# Altium PCB node-test-array__B4.PcbDoc (part 1 of 3)
Units mm, origin at the board's own origin, x right, y up, seen from the top; angles counter-clockwise.
Board outline 390 x 132 mm, 2 copper layers (Top Layer, Bottom Layer), stack 1.567 mm thick; 356 components, 207 nets, 1082 pads, 266 vias.
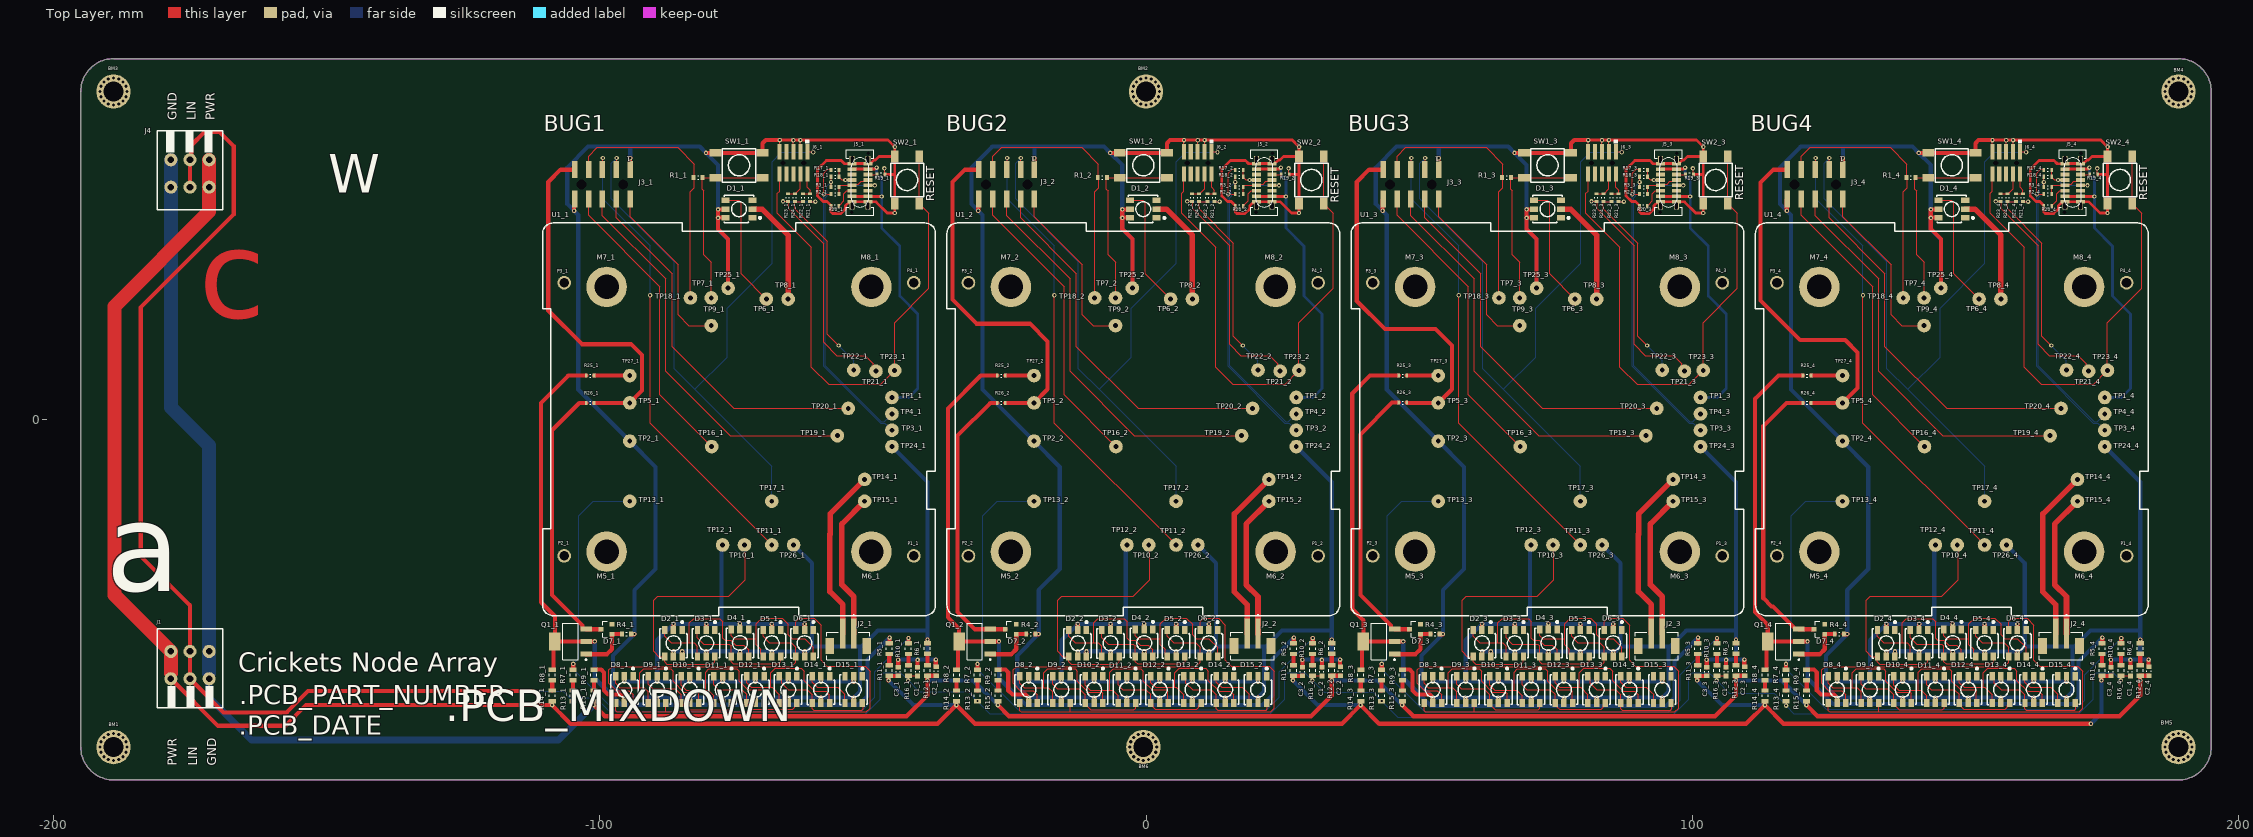
[diagram p0: Top Layer view]
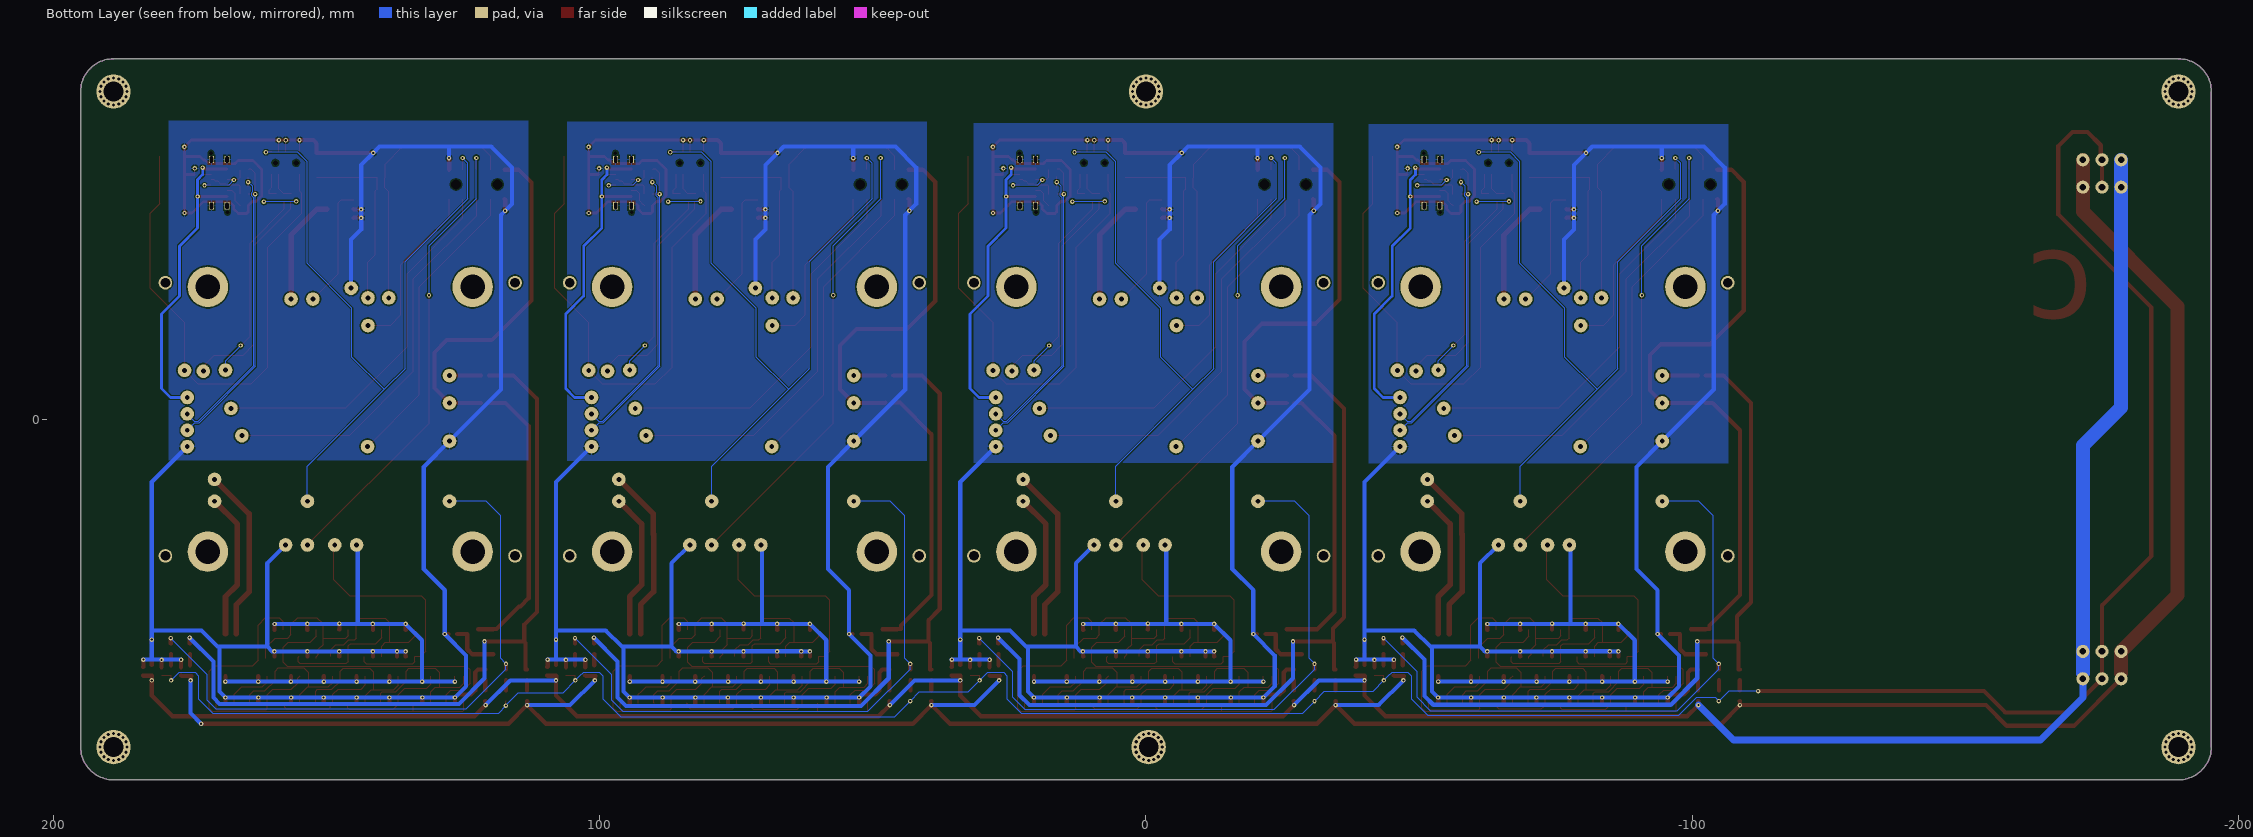
[diagram p1: Bottom Layer view, seen from below]
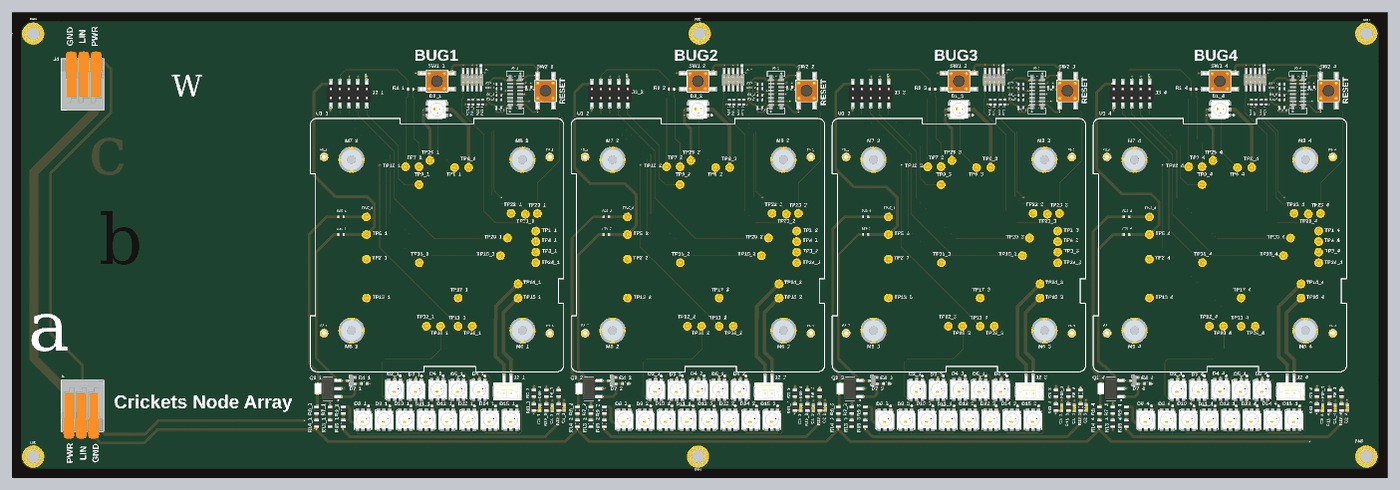
[diagram p4: 3D render of the assembled board from above, using the file's embedded part models]

## Layer stack, top to bottom
Top Solder: solder mask 0.0102, Solder Resist, Dk 3.5
Top Layer: signal copper 0.0356
Dielectric1: dielectric 1.4961, FR-4, Dk 4.8
Bottom Layer: signal copper 0.0356
Bottom Solder: solder mask 0.0102, Solder Resist, Dk 3.5

## Board outline
-195,-60 ccw(c-189,-60) -189,-66 189,-66 ccw(c189,-60) 195,-60 195,60 ccw(c189,60) 189,66 -189,66 ccw(c-189,60) -195,60

## Design rules (kind name [scope] priority, off if disabled: settings)
Clearance [All] p1: gap=0.152 ignorepadtopadclearanceinfootprint=FALSE except(0: Arc-Hole Track-Hole SMDPad-Hole THPad-Hole Via-Hole Fill-Hole Poly-Hole Region-Hole Text-Hole; 0.254: Arc-Poly Track-Poly SMDPad-Poly THPad-Poly Via-Poly Fill-Poly Poly-Poly)
ComponentClearance [All] p1: gap=0 collisioncheckmode=3 verticalgap=0 showdistances=FALSE
HoleToHoleClearance [All] p1: gap=0.127 allowstackedmicrovias=TRUE
PolygonConnect [All] p1: connectstyle=Relief reliefconductorwidth=0.254 reliefentries=4 polygonreliefangle="90 Angle" airgapwidth=0.254
RoomDefinition 4 [InComponentClass('4')] p1: confinementstyle=ConfineIn formatcopy=TRUE lockcomponents=FALSE outline 111,-57 185,-57 185,54 111,54
RoomDefinition 3 [InComponentClass('3')] p2: confinementstyle=ConfineIn formatcopy=TRUE lockcomponents=FALSE outline 37,-57 111,-57 111,54 37,54
RoomDefinition 2 [InComponentClass('2')] p3: confinementstyle=ConfineIn formatcopy=TRUE lockcomponents=FALSE outline -37,-57 37,-57 37,54 -37,54
RoomDefinition 1 [InComponentClass('1')] p4: confinementstyle=ConfineIn formatcopy=TRUE lockcomponents=FALSE outline -111,-57 -37,-57 -37,54 -111,54
RoutingVias [All] p1: holewidth=0.305 width=0.66 viastyle="Through Hole" minholewidth=0.305 minwidth=0.66 maxholewidth=1.27 maxwidth=1.905
SilkToSolderMaskClearance SilkscreenOverComponentPads [IsPad] p1: minsilkscreentomaskgap=0.254 clearancetoexposedcopper=TRUE
SolderMaskExpansion [All] p1: expansion=0.102 istentingtop=FALSE
SupplyNets "Schematic Supply Nets_23" [InNet('GND_1')] p1: voltage=0.000
SupplyNets "Schematic Supply Nets_22" [InNet('GND_3')] p2: voltage=0.000
SupplyNets "Schematic Supply Nets_21" [InNet('+VIN_3')] p3: voltage=0.000
SupplyNets "Schematic Supply Nets_20" [InNet('+VIN_2')] p4: voltage=0.000
SupplyNets "Schematic Supply Nets_19" [InNet('+5v0_3')] p5: voltage=0.000
SupplyNets "Schematic Supply Nets_16" [InNet('+VIN_4')] p6: voltage=0.000
SupplyNets "Schematic Supply Nets_15" [InNet('GND_2')] p7: voltage=0.000
SupplyNets "Schematic Supply Nets_14" [InNet('+5v0_4')] p8: voltage=0.000
SupplyNets "Schematic Supply Nets_9" [InNet('+VIN_1')] p9: voltage=0.000
SupplyNets "Schematic Supply Nets_3" [InNet('+5v0_1')] p10: voltage=0.000
SupplyNets "Schematic Supply Nets_1" [InNet('+5v0_2')] p11: voltage=0.000
SupplyNets "Schematic Supply Nets" [InNet('GND_4')] p12: voltage=0.000
Width [All] p1: maxlimit=5.08 minlimit=0.152 preferedwidth=0.152
27 further rules are at their usual default settings.

## Classes and differential pairs
component class 4: C1_4 C2_4 C3_4 D1_4 D2_4 D3_4 D4_4 D5_4 D6_4 D7_4 D8_4 D9_4 D10_4 D11_4 D12_4 D13_4 D14_4 D15_4 J2_4 J3_4 J5_4 J6_4 M5_4 M6_4 M7_4 M8_4 P1_4 P2_4 P3_4 P4_4 Q1_4 R1_4 R2_4 R3_4 R4_4 R5_4 R6_4 R7_4 R8_4 R9_4 R10_4 R11_4 R12_4 R13_4 R14_4 R15_4 R16_4 R17_4 R18_4 R19_4 R20_4 R21_4 R22_4 R23_4 R24_4 R25_4 R26_4 SW1_4 SW2_4 TP1_4 TP2_4 TP3_4 TP4_4 TP5_4 TP6_4 TP7_4 TP8_4 TP9_4 TP10_4 TP11_4 TP12_4 TP13_4 TP14_4 TP15_4 TP16_4 TP17_4 TP18_4 TP19_4 TP20_4 TP21_4 TP22_4 TP23_4 TP24_4 TP25_4 TP26_4 TP27_4 U1_4
component class 3: C1_3 C2_3 C3_3 D1_3 D2_3 D3_3 D4_3 D5_3 D6_3 D7_3 D8_3 D9_3 D10_3 D11_3 D12_3 D13_3 D14_3 D15_3 J2_3 J3_3 J5_3 J6_3 M5_3 M6_3 M7_3 M8_3 P1_3 P2_3 P3_3 P4_3 Q1_3 R1_3 R2_3 R3_3 R4_3 R5_3 R6_3 R7_3 R8_3 R9_3 R10_3 R11_3 R12_3 R13_3 R14_3 R15_3 R16_3 R17_3 R18_3 R19_3 R20_3 R21_3 R22_3 R23_3 R24_3 R25_3 R26_3 SW1_3 SW2_3 TP1_3 TP2_3 TP3_3 TP4_3 TP5_3 TP6_3 TP7_3 TP8_3 TP9_3 TP10_3 TP11_3 TP12_3 TP13_3 TP14_3 TP15_3 TP16_3 TP17_3 TP18_3 TP19_3 TP20_3 TP21_3 TP22_3 TP23_3 TP24_3 TP25_3 TP26_3 TP27_3 U1_3
component class 2: C1_2 C2_2 C3_2 D1_2 D2_2 D3_2 D4_2 D5_2 D6_2 D7_2 D8_2 D9_2 D10_2 D11_2 D12_2 D13_2 D14_2 D15_2 J2_2 J3_2 J5_2 J6_2 M5_2 M6_2 M7_2 M8_2 P1_2 P2_2 P3_2 P4_2 Q1_2 R1_2 R2_2 R3_2 R4_2 R5_2 R6_2 R7_2 R8_2 R9_2 R10_2 R11_2 R12_2 R13_2 R14_2 R15_2 R16_2 R17_2 R18_2 R19_2 R20_2 R21_2 R22_2 R23_2 R24_2 R25_2 R26_2 SW1_2 SW2_2 TP1_2 TP2_2 TP3_2 TP4_2 TP5_2 TP6_2 TP7_2 TP8_2 TP9_2 TP10_2 TP11_2 TP12_2 TP13_2 TP14_2 TP15_2 TP16_2 TP17_2 TP18_2 TP19_2 TP20_2 TP21_2 TP22_2 TP23_2 TP24_2 TP25_2 TP26_2 TP27_2 U1_2
channel class cricket-node: 1 2 3 4
component class 1: C1_1 C2_1 C3_1 D1_1 D2_1 D3_1 D4_1 D5_1 D6_1 D7_1 D8_1 D9_1 D10_1 D11_1 D12_1 D13_1 D14_1 D15_1 J2_1 J3_1 J5_1 J6_1 M5_1 M6_1 M7_1 M8_1 P1_1 P2_1 P3_1 P4_1 Q1_1 R1_1 R2_1 R3_1 R4_1 R5_1 R6_1 R7_1 R8_1 R9_1 R10_1 R11_1 R12_1 R13_1 R14_1 R15_1 R16_1 R17_1 R18_1 R19_1 R20_1 R21_1 R22_1 R23_1 R24_1 R25_1 R26_1 SW1_1 SW2_1 TP1_1 TP2_1 TP3_1 TP4_1 TP5_1 TP6_1 TP7_1 TP8_1 TP9_1 TP10_1 TP11_1 TP12_1 TP13_1 TP14_1 TP15_1 TP16_1 TP17_1 TP18_1 TP19_1 TP20_1 TP21_1 TP22_1 TP23_1 TP24_1 TP25_1 TP26_1 TP27_1 U1_1
component class node-test-array__TOP_LEVEL__B: BM1 BM2 BM3 BM4 BM5 BM6 J1 J4

## Components (designator, comment, footprint, x,y, rotation, side; value= is the part's Value field where it differs from the comment)
BM1 "M3" M3 -189,-60 r0 top
BM2 "M3" M3 0,60 r0 top
BM3 "M3" M3 -189,60 r0 top
BM4 "M3" M3 189,60 r0 top
BM5 "M3" M3 189,-60 r0 top
BM6 "M3" M3 -0.483,-60 r0 top
C1_1 "18pF" C0603_0.90MM_MD -41.805,-46.203 r270 top (schematic designator C1)
C1_2 "18pF" C0603_0.90MM_MD 32.195,-46.203 r270 top (schematic designator C1)
C1_3 "18pF" C0603_0.90MM_MD 106.195,-46.203 r270 top (schematic designator C1)
C1_4 "18pF" C0603_0.90MM_MD 180.195,-46.203 r270 top (schematic designator C1)
C2_1 "18pF" C0603_0.90MM_MD -38.401,-46.126 r270 top (schematic designator C2)
C2_2 "18pF" C0603_0.90MM_MD 35.599,-46.126 r270 top (schematic designator C2)
C2_3 "18pF" C0603_0.90MM_MD 109.599,-46.126 r270 top (schematic designator C2)
C2_4 "18pF" C0603_0.90MM_MD 183.599,-46.126 r270 top (schematic designator C2)
C3_1 "18pF" C0603_0.90MM_MD -45.361,-46.177 r270 top (schematic designator C3)
C3_2 "18pF" C0603_0.90MM_MD 28.639,-46.177 r270 top (schematic designator C3)
C3_3 "18pF" C0603_0.90MM_MD 102.639,-46.177 r270 top (schematic designator C3)
C3_4 "18pF" C0603_0.90MM_MD 176.639,-46.177 r270 top (schematic designator C3)
D1_1 "WS2813A-V2" WS2813A-V2 -74.5,38.475 r0 top (schematic designator D1)
D1_2 "WS2813A-V2" WS2813A-V2 -0.5,38.475 r0 top (schematic designator D1)
D1_3 "WS2813A-V2" WS2813A-V2 73.5,38.475 r0 top (schematic designator D1)
D1_4 "WS2813A-V2" WS2813A-V2 147.5,38.475 r0 top (schematic designator D1)
D2_1 "WS2813A-V2" WS2813A-V2 -86.5,-41 r90 top (schematic designator D2)
D2_2 "WS2813A-V2" WS2813A-V2 -12.5,-41 r90 top (schematic designator D2)
D2_3 "WS2813A-V2" WS2813A-V2 61.5,-41 r90 top (schematic designator D2)
D2_4 "WS2813A-V2" WS2813A-V2 135.5,-41 r90 top (schematic designator D2)
D3_1 "WS2813A-V2" WS2813A-V2 -80.5,-41 r90 top (schematic designator D3)
D3_2 "WS2813A-V2" WS2813A-V2 -6.5,-41 r90 top (schematic designator D3)
D3_3 "WS2813A-V2" WS2813A-V2 67.5,-41 r90 top (schematic designator D3)
D3_4 "WS2813A-V2" WS2813A-V2 141.5,-41 r90 top (schematic designator D3)
D4_1 "WS2813A-V2" WS2813A-V2 -74.335,-40.95 r90 top (schematic designator D4)
D4_2 "WS2813A-V2" WS2813A-V2 -0.335,-40.95 r90 top (schematic designator D4)
D4_3 "WS2813A-V2" WS2813A-V2 73.665,-40.95 r90 top (schematic designator D4)
D4_4 "WS2813A-V2" WS2813A-V2 147.665,-40.95 r90 top (schematic designator D4)
D5_1 "WS2813A-V2" WS2813A-V2 -68.5,-41 r90 top (schematic designator D5)
D5_2 "WS2813A-V2" WS2813A-V2 5.5,-41 r90 top (schematic designator D5)
D5_3 "WS2813A-V2" WS2813A-V2 79.5,-41 r90 top (schematic designator D5)
D5_4 "WS2813A-V2" WS2813A-V2 153.5,-41 r90 top (schematic designator D5)
D6_1 "WS2813A-V2" WS2813A-V2 -62.5,-41 r90 top (schematic designator D6)
D6_2 "WS2813A-V2" WS2813A-V2 11.5,-41 r90 top (schematic designator D6)
D6_3 "WS2813A-V2" WS2813A-V2 85.5,-41 r90 top (schematic designator D6)
D6_4 "WS2813A-V2" WS2813A-V2 159.5,-41 r90 top (schematic designator D6)
D7_1 "BZX84B16-7-F" D_SOT-23-3_P -98.758,-38.444 r180 top (schematic designator D7)
D7_2 "BZX84B16-7-F" D_SOT-23-3_P -24.758,-38.444 r180 top (schematic designator D7)
D7_3 "BZX84B16-7-F" D_SOT-23-3_P 49.242,-38.444 r180 top (schematic designator D7)
D7_4 "BZX84B16-7-F" D_SOT-23-3_P 123.242,-38.444 r180 top (schematic designator D7)
D8_1 "WS2813A-V2" WS2813A-V2 -95.5,-49.5 r90 top (schematic designator D8)
D8_2 "WS2813A-V2" WS2813A-V2 -21.5,-49.5 r90 top (schematic designator D8)
D8_3 "WS2813A-V2" WS2813A-V2 52.5,-49.5 r90 top (schematic designator D8)
D8_4 "WS2813A-V2" WS2813A-V2 126.5,-49.5 r90 top (schematic designator D8)
D9_1 "WS2813A-V2" WS2813A-V2 -89.5,-49.5 r90 top (schematic designator D9)
D9_2 "WS2813A-V2" WS2813A-V2 -15.5,-49.5 r90 top (schematic designator D9)
D9_3 "WS2813A-V2" WS2813A-V2 58.5,-49.5 r90 top (schematic designator D9)
D9_4 "WS2813A-V2" WS2813A-V2 132.5,-49.5 r90 top (schematic designator D9)
D10_1 "WS2813A-V2" WS2813A-V2 -83.5,-49.5 r90 top (schematic designator D10)
D10_2 "WS2813A-V2" WS2813A-V2 -9.5,-49.5 r90 top (schematic designator D10)
D10_3 "WS2813A-V2" WS2813A-V2 64.5,-49.5 r90 top (schematic designator D10)
D10_4 "WS2813A-V2" WS2813A-V2 138.5,-49.5 r90 top (schematic designator D10)
D11_1 "WS2813A-V2" WS2813A-V2 -77.5,-49.5 r90 top (schematic designator D11)
D11_2 "WS2813A-V2" WS2813A-V2 -3.5,-49.5 r90 top (schematic designator D11)
D11_3 "WS2813A-V2" WS2813A-V2 70.5,-49.5 r90 top (schematic designator D11)
D11_4 "WS2813A-V2" WS2813A-V2 144.5,-49.5 r90 top (schematic designator D11)
D12_1 "WS2813A-V2" WS2813A-V2 -71.5,-49.5 r90 top (schematic designator D12)
D12_2 "WS2813A-V2" WS2813A-V2 2.5,-49.5 r90 top (schematic designator D12)
D12_3 "WS2813A-V2" WS2813A-V2 76.5,-49.5 r90 top (schematic designator D12)
D12_4 "WS2813A-V2" WS2813A-V2 150.5,-49.5 r90 top (schematic designator D12)
D13_1 "WS2813A-V2" WS2813A-V2 -65.5,-49.5 r90 top (schematic designator D13)
D13_2 "WS2813A-V2" WS2813A-V2 8.5,-49.5 r90 top (schematic designator D13)
D13_3 "WS2813A-V2" WS2813A-V2 82.5,-49.5 r90 top (schematic designator D13)
D13_4 "WS2813A-V2" WS2813A-V2 156.5,-49.5 r90 top (schematic designator D13)
D14_1 "WS2813A-V2" WS2813A-V2 -59.5,-49.5 r90 top (schematic designator D14)
D14_2 "WS2813A-V2" WS2813A-V2 14.5,-49.5 r90 top (schematic designator D14)
D14_3 "WS2813A-V2" WS2813A-V2 88.5,-49.5 r90 top (schematic designator D14)
D14_4 "WS2813A-V2" WS2813A-V2 162.5,-49.5 r90 top (schematic designator D14)
D15_1 "WS2813A-V2" WS2813A-V2 -53.5,-49.5 r90 top (schematic designator D15)
D15_2 "WS2813A-V2" WS2813A-V2 20.5,-49.5 r90 top (schematic designator D15)
D15_3 "WS2813A-V2" WS2813A-V2 94.5,-49.5 r90 top (schematic designator D15)
D15_4 "WS2813A-V2" WS2813A-V2 168.5,-49.5 r90 top (schematic designator D15)
J1 "WAGO 2601-1103" 2601-1103 -175,-45 r0 top value=2601-1103
J2_1 "B2B-PH-SM4-TBT(LF)(SN)" B2B-PH-SM4 -54.5,-41.5 r180 top (schematic designator J2)
J2_2 "B2B-PH-SM4-TBT(LF)(SN)" B2B-PH-SM4 19.5,-41.5 r180 top (schematic designator J2)
J2_3 "B2B-PH-SM4-TBT(LF)(SN)" B2B-PH-SM4 93.5,-41.5 r180 top (schematic designator J2)
J2_4 "B2B-PH-SM4-TBT(LF)(SN)" B2B-PH-SM4 167.5,-41.5 r180 top (schematic designator J2)
J3_1 "PZ254-2-05-S" PZ254-2-05-S -99.5,43 r180 top (schematic designator J3)
J3_2 "PZ254-2-05-S" PZ254-2-05-S -25.5,43 r180 top (schematic designator J3)
J3_3 "PZ254-2-05-S" PZ254-2-05-S 48.5,43 r180 top (schematic designator J3)
J3_4 "PZ254-2-05-S" PZ254-2-05-S 122.5,43 r180 top (schematic designator J3)
J4 "WAGO 2601-1103" 2601-1103 -175,45 r180 top value=2601-1103
J5_1 "GT-USB-7082B" GT-USB-7082B -52.356,43.306 r90 top (schematic designator J5)
J5_2 "GT-USB-7082B" GT-USB-7082B 21.644,43.306 r90 top (schematic designator J5)
J5_3 "GT-USB-7082B" GT-USB-7082B 95.644,43.306 r90 top (schematic designator J5)
J5_4 "GT-USB-7082B" GT-USB-7082B 169.644,43.306 r90 top (schematic designator J5)
J6_1 "20021121-00010T4LF" FTSH-105-05-F-DV -64.54,46.93 r180 top (schematic designator J6)
J6_2 "20021121-00010T4LF" FTSH-105-05-F-DV 9.46,46.93 r180 top (schematic designator J6)
J6_3 "20021121-00010T4LF" FTSH-105-05-F-DV 83.46,46.93 r180 top (schematic designator J6)
J6_4 "20021121-00010T4LF" FTSH-105-05-F-DV 157.46,46.93 r180 top (schematic designator J6)
M5_1 "9774080360R" 9774080360R-YIYUAN -98.732,-24.232 r0 top (schematic designator M5)
M5_2 "9774080360R" 9774080360R-YIYUAN -24.732,-24.232 r0 top (schematic designator M5)
M5_3 "9774080360R" 9774080360R-YIYUAN 49.268,-24.232 r0 top (schematic designator M5)
M5_4 "9774080360R" 9774080360R-YIYUAN 123.268,-24.232 r0 top (schematic designator M5)
M6_1 "9774080360R" 9774080360R-YIYUAN -50.268,-24.232 r0 top (schematic designator M6)
M6_2 "9774080360R" 9774080360R-YIYUAN 23.732,-24.232 r0 top (schematic designator M6)
M6_3 "9774080360R" 9774080360R-YIYUAN 97.732,-24.232 r0 top (schematic designator M6)
M6_4 "9774080360R" 9774080360R-YIYUAN 171.732,-24.232 r0 top (schematic designator M6)
M7_1 "9774080360R" 9774080360R-YIYUAN -98.732,24.232 r0 top (schematic designator M7)
M7_2 "9774080360R" 9774080360R-YIYUAN -24.732,24.232 r0 top (schematic designator M7)
M7_3 "9774080360R" 9774080360R-YIYUAN 49.268,24.232 r0 top (schematic designator M7)
M7_4 "9774080360R" 9774080360R-YIYUAN 123.268,24.232 r0 top (schematic designator M7)
M8_1 "9774080360R" 9774080360R-YIYUAN -50.268,24.232 r0 top (schematic designator M8)
M8_2 "9774080360R" 9774080360R-YIYUAN 23.732,24.232 r0 top (schematic designator M8)
M8_3 "9774080360R" 9774080360R-YIYUAN 97.732,24.232 r0 top (schematic designator M8)
M8_4 "9774080360R" 9774080360R-YIYUAN 171.732,24.232 r0 top (schematic designator M8)
P1_1 "H2184-05" H2184-05 -42.5,-25 r0 top (schematic designator P1)
P1_2 "H2184-05" H2184-05 31.5,-25 r0 top (schematic designator P1)
P1_3 "H2184-05" H2184-05 105.5,-25 r0 top (schematic designator P1)
P1_4 "H2184-05" H2184-05 179.5,-25 r0 top (schematic designator P1)
P2_1 "H2184-05" H2184-05 -106.5,-25 r0 top (schematic designator P2)
P2_2 "H2184-05" H2184-05 -32.5,-25 r0 top (schematic designator P2)
P2_3 "H2184-05" H2184-05 41.5,-25 r0 top (schematic designator P2)
P2_4 "H2184-05" H2184-05 115.5,-25 r0 top (schematic designator P2)
P3_1 "H2184-05" H2184-05 -106.5,25 r0 top (schematic designator P3)
P3_2 "H2184-05" H2184-05 -32.5,25 r0 top (schematic designator P3)
P3_3 "H2184-05" H2184-05 41.5,25 r0 top (schematic designator P3)
P3_4 "H2184-05" H2184-05 115.5,25 r0 top (schematic designator P3)
P4_1 "H2184-05" H2184-05 -42.5,25 r0 top (schematic designator P4)
P4_2 "H2184-05" H2184-05 31.5,25 r0 top (schematic designator P4)
P4_3 "H2184-05" H2184-05 105.5,25 r0 top (schematic designator P4)
P4_4 "H2184-05" H2184-05 179.5,25 r0 top (schematic designator P4)
Q1_1 "ZXMP4A16GTA" SOT223 -105.35,-40.7 r180 top (schematic designator Q1)
Q1_2 "ZXMP4A16GTA" SOT223 -31.35,-40.7 r180 top (schematic designator Q1)
Q1_3 "ZXMP4A16GTA" SOT223 42.65,-40.7 r180 top (schematic designator Q1)
Q1_4 "ZXMP4A16GTA" SOT223 116.65,-40.7 r180 top (schematic designator Q1)
R1_1 "100kΩ" R0603_0.55MM_MD -81.993,44.247 r180 top (schematic designator R1)
R1_2 "100kΩ" R0603_0.55MM_MD -7.993,44.247 r180 top (schematic designator R1)
R1_3 "100kΩ" R0603_0.55MM_MD 66.007,44.247 r180 top (schematic designator R1)
R1_4 "100kΩ" R0603_0.55MM_MD 140.007,44.247 r180 top (schematic designator R1)
R2_1 "0Ω" R0603_0.55MM_HD -56.92,41.215 r180 top (schematic designator R2)
R2_2 "0Ω" R0603_0.55MM_HD 17.08,41.215 r180 top (schematic designator R2)
R2_3 "0Ω" R0603_0.55MM_HD 91.08,41.215 r180 top (schematic designator R2)
R2_4 "0Ω" R0603_0.55MM_HD 165.08,41.215 r180 top (schematic designator R2)
R3_1 "0Ω" R0603_0.55MM_HD -56.92,42.485 r180 top (schematic designator R3)
R3_2 "0Ω" R0603_0.55MM_HD 17.08,42.485 r180 top (schematic designator R3)
R3_3 "0Ω" R0603_0.55MM_HD 91.08,42.485 r180 top (schematic designator R3)
R3_4 "0Ω" R0603_0.55MM_HD 165.08,42.485 r180 top (schematic designator R3)
R4_1 "10kΩ" R0603_0.55MM_MD -95.091,-39.307 r0 top (schematic designator R4)
R4_2 "10kΩ" R0603_0.55MM_MD -21.091,-39.307 r0 top (schematic designator R4)
R4_3 "10kΩ" R0603_0.55MM_MD 52.909,-39.307 r0 top (schematic designator R4)
R4_4 "10kΩ" R0603_0.55MM_MD 126.909,-39.307 r0 top (schematic designator R4)
R5_1 "0Ω" R0805_0.70MM_MD -47,-42 r90 top (schematic designator R5)
R5_2 "0Ω" R0805_0.70MM_MD 27,-42 r90 top (schematic designator R5)
R5_3 "0Ω" R0805_0.70MM_MD 101,-42 r90 top (schematic designator R5)
R5_4 "0Ω" R0805_0.70MM_MD 175,-42 r90 top (schematic designator R5)
R6_1 "0Ω" R0805_0.70MM_MD -40,-41.975 r90 top (schematic designator R6)
R6_2 "0Ω" R0805_0.70MM_MD 34,-41.975 r90 top (schematic designator R6)
R6_3 "0Ω" R0805_0.70MM_MD 108,-41.975 r90 top (schematic designator R6)
R6_4 "0Ω" R0805_0.70MM_MD 182,-41.975 r90 top (schematic designator R6)
R7_1 "0Ω" R0805_0.70MM_MD -104.87,-46.8 r90 top (schematic designator R7)
R7_2 "0Ω" R0805_0.70MM_MD -30.87,-46.8 r90 top (schematic designator R7)
R7_3 "0Ω" R0805_0.70MM_MD 43.13,-46.8 r90 top (schematic designator R7)
R7_4 "0Ω" R0805_0.70MM_MD 117.13,-46.8 r90 top (schematic designator R7)
R8_1 "0Ω" R0805_0.70MM_MD -108.68,-46.8 r90 top (schematic designator R8)
R8_2 "0Ω" R0805_0.70MM_MD -34.68,-46.8 r90 top (schematic designator R8)
R8_3 "0Ω" R0805_0.70MM_MD 39.32,-46.8 r90 top (schematic designator R8)
R8_4 "0Ω" R0805_0.70MM_MD 113.32,-46.8 r90 top (schematic designator R8)
R9_1 "0Ω" R0805_0.70MM_MD -101.06,-46.8 r90 top (schematic designator R9)
R9_2 "0Ω" R0805_0.70MM_MD -27.06,-46.8 r90 top (schematic designator R9)
R9_3 "0Ω" R0805_0.70MM_MD 46.94,-46.8 r90 top (schematic designator R9)
R9_4 "0Ω" R0805_0.70MM_MD 120.94,-46.8 r90 top (schematic designator R9)
R10_1 "0Ω" R0805_0.70MM_MD -43.5,-42 r90 top (schematic designator R10)
R10_2 "0Ω" R0805_0.70MM_MD 30.5,-42 r90 top (schematic designator R10)
R10_3 "0Ω" R0805_0.70MM_MD 104.5,-42 r90 top (schematic designator R10)
R10_4 "0Ω" R0805_0.70MM_MD 178.5,-42 r90 top (schematic designator R10)
R11_1 "0Ω" R0805_0.70MM_MD -47,-46 r90 top (schematic designator R11)
R11_2 "0Ω" R0805_0.70MM_MD 27,-46 r90 top (schematic designator R11)
R11_3 "0Ω" R0805_0.70MM_MD 101,-46 r90 top (schematic designator R11)
R11_4 "0Ω" R0805_0.70MM_MD 175,-46 r90 top (schematic designator R11)
R12_1 "0Ω" R0805_0.70MM_MD -40,-45.975 r90 top (schematic designator R12)
R12_2 "0Ω" R0805_0.70MM_MD 34,-45.975 r90 top (schematic designator R12)
R12_3 "0Ω" R0805_0.70MM_MD 108,-45.975 r90 top (schematic designator R12)
R12_4 "0Ω" R0805_0.70MM_MD 182,-45.975 r90 top (schematic designator R12)
R13_1 "0Ω" R0805_0.70MM_MD -104.87,-50.61 r90 top (schematic designator R13)
R13_2 "0Ω" R0805_0.70MM_MD -30.87,-50.61 r90 top (schematic designator R13)
R13_3 "0Ω" R0805_0.70MM_MD 43.13,-50.61 r90 top (schematic designator R13)
R13_4 "0Ω" R0805_0.70MM_MD 117.13,-50.61 r90 top (schematic designator R13)
R14_1 "0Ω" R0805_0.70MM_MD -108.68,-50.61 r90 top (schematic designator R14)
R14_2 "0Ω" R0805_0.70MM_MD -34.68,-50.61 r90 top (schematic designator R14)
R14_3 "0Ω" R0805_0.70MM_MD 39.32,-50.61 r90 top (schematic designator R14)
R14_4 "0Ω" R0805_0.70MM_MD 113.32,-50.61 r90 top (schematic designator R14)
R15_1 "0Ω" R0805_0.70MM_MD -101.06,-50.61 r90 top (schematic designator R15)
R15_2 "0Ω" R0805_0.70MM_MD -27.06,-50.61 r90 top (schematic designator R15)
R15_3 "0Ω" R0805_0.70MM_MD 46.94,-50.61 r90 top (schematic designator R15)
R15_4 "0Ω" R0805_0.70MM_MD 120.94,-50.61 r90 top (schematic designator R15)
R16_1 "0Ω" R0805_0.70MM_MD -43.5,-46 r90 top (schematic designator R16)
R16_2 "0Ω" R0805_0.70MM_MD 30.5,-46 r90 top (schematic designator R16)
R16_3 "0Ω" R0805_0.70MM_MD 104.5,-46 r90 top (schematic designator R16)
R16_4 "0Ω" R0805_0.70MM_MD 178.5,-46 r90 top (schematic designator R16)
R17_1 "0Ω" R0603_0.55MM_HD -56.92,45.66 r180 top (schematic designator R17)
R17_2 "0Ω" R0603_0.55MM_HD 17.08,45.66 r180 top (schematic designator R17)
R17_3 "0Ω" R0603_0.55MM_HD 91.08,45.66 r180 top (schematic designator R17)
R17_4 "0Ω" R0603_0.55MM_HD 165.08,45.66 r180 top (schematic designator R17)
R18_1 "0Ω" R0603_0.55MM_HD -56.92,44.39 r180 top (schematic designator R18)
R18_2 "0Ω" R0603_0.55MM_HD 17.08,44.39 r180 top (schematic designator R18)
R18_3 "0Ω" R0603_0.55MM_HD 91.08,44.39 r180 top (schematic designator R18)
R18_4 "0Ω" R0603_0.55MM_HD 165.08,44.39 r180 top (schematic designator R18)
R19_1 "5.1kΩ" R0603_0.55MM_HD -48.513,44.822 r180 top (schematic designator R19)
R19_2 "5.1kΩ" R0603_0.55MM_HD 25.487,44.822 r180 top (schematic designator R19)
R19_3 "5.1kΩ" R0603_0.55MM_HD 99.487,44.822 r180 top (schematic designator R19)
R19_4 "5.1kΩ" R0603_0.55MM_HD 173.487,44.822 r180 top (schematic designator R19)
R20_1 "5.1kΩ" R0603_0.55MM_HD -56.945,39.005 r0 top (schematic designator R20)
R20_2 "5.1kΩ" R0603_0.55MM_HD 17.055,39.005 r0 top (schematic designator R20)
R20_3 "5.1kΩ" R0603_0.55MM_HD 91.055,39.005 r0 top (schematic designator R20)
R20_4 "5.1kΩ" R0603_0.55MM_HD 165.055,39.005 r0 top (schematic designator R20)
R21_1 "0Ω" R0603_0.55MM_HD -61.492,40.58 r270 top (schematic designator R21)
R21_2 "0Ω" R0603_0.55MM_HD 12.508,40.58 r270 top (schematic designator R21)
R21_3 "0Ω" R0603_0.55MM_HD 86.508,40.58 r270 top (schematic designator R21)
R21_4 "0Ω" R0603_0.55MM_HD 160.508,40.58 r270 top (schematic designator R21)
R22_1 "0Ω" R0603_0.55MM_HD -62.762,40.58 r270 top (schematic designator R22)
R22_2 "0Ω" R0603_0.55MM_HD 11.238,40.58 r270 top (schematic designator R22)
R22_3 "0Ω" R0603_0.55MM_HD 85.238,40.58 r270 top (schematic designator R22)
R22_4 "0Ω" R0603_0.55MM_HD 159.238,40.58 r270 top (schematic designator R22)
R23_1 "0Ω" R0603_0.55MM_HD -65.556,40.58 r270 top (schematic designator R23)
R23_2 "0Ω" R0603_0.55MM_HD 8.444,40.58 r270 top (schematic designator R23)
R23_3 "0Ω" R0603_0.55MM_HD 82.444,40.58 r270 top (schematic designator R23)
R23_4 "0Ω" R0603_0.55MM_HD 156.444,40.58 r270 top (schematic designator R23)
R24_1 "0Ω" R0603_0.55MM_HD -64.286,40.58 r270 top (schematic designator R24)
R24_2 "0Ω" R0603_0.55MM_HD 9.714,40.58 r270 top (schematic designator R24)
R24_3 "0Ω" R0603_0.55MM_HD 83.714,40.58 r270 top (schematic designator R24)
R24_4 "0Ω" R0603_0.55MM_HD 157.714,40.58 r270 top (schematic designator R24)
R25_1 "0Ω" R0603_0.55MM_HD -101.75,8 r0 top (schematic designator R25)
R25_2 "0Ω" R0603_0.55MM_HD -26.5,8 r0 top (schematic designator R25)
R25_3 "0Ω" R0603_0.55MM_HD 47,8 r0 top (schematic designator R25)
R25_4 "0Ω" R0603_0.55MM_HD 121,8 r0 top (schematic designator R25)
R26_1 "0Ω" R0603_0.55MM_HD -101.75,3 r0 top (schematic designator R26)
R26_2 "0Ω" R0603_0.55MM_HD -26.5,3 r0 top (schematic designator R26)
R26_3 "0Ω" R0603_0.55MM_HD 47,3.06 r0 top (schematic designator R26)
R26_4 "0Ω" R0603_0.55MM_HD 121,3 r0 top (schematic designator R26)
SW1_1 "FSM4JSMATR" FSM4JSMATR -74.5,46.5 r270 top (schematic designator SW1)
SW1_2 "FSM4JSMATR" FSM4JSMATR -0.5,46.5 r270 top (schematic designator SW1)
SW1_3 "FSM4JSMATR" FSM4JSMATR 73.5,46.5 r270 top (schematic designator SW1)
SW1_4 "FSM4JSMATR" FSM4JSMATR 147.5,46.5 r270 top (schematic designator SW1)
SW2_1 "FSM4JSMATR" FSM4JSMATR -43.737,43.806 r0 top (schematic designator SW2)
SW2_2 "FSM4JSMATR" FSM4JSMATR 30.263,43.806 r0 top (schematic designator SW2)
SW2_3 "FSM4JSMATR" FSM4JSMATR 104.263,43.806 r0 top (schematic designator SW2)
SW2_4 "FSM4JSMATR" FSM4JSMATR 178.263,43.806 r0 top (schematic designator SW2)
TP1_1 "YZ209315103P-01" YZ209315103P-01 -46.5,4 r90 top (schematic designator TP1)
TP1_2 "YZ209315103P-01" YZ209315103P-01 27.5,4 r90 top (schematic designator TP1)
TP1_3 "YZ209315103P-01" YZ209315103P-01 101.5,4 r90 top (schematic designator TP1)
TP1_4 "YZ209315103P-01" YZ209315103P-01 175.5,4 r90 top (schematic designator TP1)
TP2_1 "YZ209315103P-01" YZ209315103P-01 -94.5,-4 r90 top (schematic designator TP2)
TP2_2 "YZ209315103P-01" YZ209315103P-01 -20.5,-4 r90 top (schematic designator TP2)
TP2_3 "YZ209315103P-01" YZ209315103P-01 53.5,-4 r90 top (schematic designator TP2)
TP2_4 "YZ209315103P-01" YZ209315103P-01 127.5,-4 r90 top (schematic designator TP2)
TP3_1 "YZ209315103P-01" YZ209315103P-01 -46.5,-2 r90 top (schematic designator TP3)
TP3_2 "YZ209315103P-01" YZ209315103P-01 27.5,-2 r90 top (schematic designator TP3)
TP3_3 "YZ209315103P-01" YZ209315103P-01 101.5,-2 r90 top (schematic designator TP3)
TP3_4 "YZ209315103P-01" YZ209315103P-01 175.5,-2 r90 top (schematic designator TP3)
TP4_1 "YZ209315103P-01" YZ209315103P-01 -46.5,1 r90 top (schematic designator TP4)
TP4_2 "YZ209315103P-01" YZ209315103P-01 27.5,1 r90 top (schematic designator TP4)
TP4_3 "YZ209315103P-01" YZ209315103P-01 101.5,1 r90 top (schematic designator TP4)
TP4_4 "YZ209315103P-01" YZ209315103P-01 175.5,1 r90 top (schematic designator TP4)
TP5_1 "YZ209315103P-01" YZ209315103P-01 -94.5,3 r90 top (schematic designator TP5)
TP5_2 "YZ209315103P-01" YZ209315103P-01 -20.5,3 r90 top (schematic designator TP5)
TP5_3 "YZ209315103P-01" YZ209315103P-01 53.5,3 r90 top (schematic designator TP5)
TP5_4 "YZ209315103P-01" YZ209315103P-01 127.5,3 r90 top (schematic designator TP5)
TP6_1 "YZ209315103P-01" YZ209315103P-01 -69.5,22 r90 top (schematic designator TP6)
TP6_2 "YZ209315103P-01" YZ209315103P-01 4.5,22 r90 top (schematic designator TP6)
TP6_3 "YZ209315103P-01" YZ209315103P-01 78.5,22 r90 top (schematic designator TP6)
TP6_4 "YZ209315103P-01" YZ209315103P-01 152.5,22 r90 top (schematic designator TP6)
TP7_1 "YZ209315103P-01" YZ209315103P-01 -79.58,22.225 r90 top (schematic designator TP7)
TP7_2 "YZ209315103P-01" YZ209315103P-01 -5.58,22.225 r90 top (schematic designator TP7)
TP7_3 "YZ209315103P-01" YZ209315103P-01 68.42,22.225 r90 top (schematic designator TP7)
TP7_4 "YZ209315103P-01" YZ209315103P-01 142.42,22.225 r90 top (schematic designator TP7)
TP8_1 "YZ209315103P-01" YZ209315103P-01 -65.5,22 r90 top (schematic designator TP8)
TP8_2 "YZ209315103P-01" YZ209315103P-01 8.5,22 r90 top (schematic designator TP8)
TP8_3 "YZ209315103P-01" YZ209315103P-01 82.5,22 r90 top (schematic designator TP8)
TP8_4 "YZ209315103P-01" YZ209315103P-01 156.5,22 r90 top (schematic designator TP8)
TP9_1 "YZ209315103P-01" YZ209315103P-01 -79.58,17.145 r90 top (schematic designator TP9)
TP9_2 "YZ209315103P-01" YZ209315103P-01 -5.58,17.145 r90 top (schematic designator TP9)
TP9_3 "YZ209315103P-01" YZ209315103P-01 68.42,17.145 r90 top (schematic designator TP9)
TP9_4 "YZ209315103P-01" YZ209315103P-01 142.42,17.145 r90 top (schematic designator TP9)
TP10_1 "YZ209315103P-01" YZ209315103P-01 -73.5,-23 r90 top (schematic designator TP10)
TP10_2 "YZ209315103P-01" YZ209315103P-01 0.5,-23 r90 top (schematic designator TP10)
TP10_3 "YZ209315103P-01" YZ209315103P-01 74.5,-23 r90 top (schematic designator TP10)
TP10_4 "YZ209315103P-01" YZ209315103P-01 148.5,-23 r90 top (schematic designator TP10)
TP11_1 "YZ209315103P-01" YZ209315103P-01 -68.5,-23 r90 top (schematic designator TP11)
TP11_2 "YZ209315103P-01" YZ209315103P-01 5.5,-23 r90 top (schematic designator TP11)
TP11_3 "YZ209315103P-01" YZ209315103P-01 79.5,-23 r90 top (schematic designator TP11)
TP11_4 "YZ209315103P-01" YZ209315103P-01 153.5,-23 r90 top (schematic designator TP11)
TP12_1 "YZ209315103P-01" YZ209315103P-01 -77.5,-23 r90 top (schematic designator TP12)
TP12_2 "YZ209315103P-01" YZ209315103P-01 -3.5,-23 r90 top (schematic designator TP12)
TP12_3 "YZ209315103P-01" YZ209315103P-01 70.5,-23 r90 top (schematic designator TP12)
TP12_4 "YZ209315103P-01" YZ209315103P-01 144.5,-23 r90 top (schematic designator TP12)
TP13_1 "YZ209315103P-01" YZ209315103P-01 -94.5,-15 r90 top (schematic designator TP13)
TP13_2 "YZ209315103P-01" YZ209315103P-01 -20.5,-15 r90 top (schematic designator TP13)
TP13_3 "YZ209315103P-01" YZ209315103P-01 53.5,-15 r90 top (schematic designator TP13)
TP13_4 "YZ209315103P-01" YZ209315103P-01 127.5,-15 r90 top (schematic designator TP13)
TP14_1 "YZ209315103P-01" YZ209315103P-01 -51.5,-11 r90 top (schematic designator TP14)
TP14_2 "YZ209315103P-01" YZ209315103P-01 22.5,-11 r90 top (schematic designator TP14)
TP14_3 "YZ209315103P-01" YZ209315103P-01 96.5,-11 r90 top (schematic designator TP14)
TP14_4 "YZ209315103P-01" YZ209315103P-01 170.5,-11 r90 top (schematic designator TP14)
TP15_1 "YZ209315103P-01" YZ209315103P-01 -51.5,-15 r90 top (schematic designator TP15)
TP15_2 "YZ209315103P-01" YZ209315103P-01 22.5,-15 r90 top (schematic designator TP15)
TP15_3 "YZ209315103P-01" YZ209315103P-01 96.5,-15 r90 top (schematic designator TP15)
TP15_4 "YZ209315103P-01" YZ209315103P-01 170.5,-15 r90 top (schematic designator TP15)
TP16_1 "YZ209315103P-01" YZ209315103P-01 -79.5,-5 r90 top (schematic designator TP16)
TP16_2 "YZ209315103P-01" YZ209315103P-01 -5.5,-5 r90 top (schematic designator TP16)
TP16_3 "YZ209315103P-01" YZ209315103P-01 68.5,-5 r90 top (schematic designator TP16)
TP16_4 "YZ209315103P-01" YZ209315103P-01 142.5,-5 r90 top (schematic designator TP16)
TP17_1 "YZ209315103P-01" YZ209315103P-01 -68.5,-15 r90 top (schematic designator TP17)
TP17_2 "YZ209315103P-01" YZ209315103P-01 5.5,-15 r90 top (schematic designator TP17)
TP17_3 "YZ209315103P-01" YZ209315103P-01 79.5,-15 r90 top (schematic designator TP17)
TP17_4 "YZ209315103P-01" YZ209315103P-01 153.5,-15 r90 top (schematic designator TP17)
TP18_1 "YZ209315103P-01" YZ209315103P-01 -83.39,22.225 r90 top (schematic designator TP18)
TP18_2 "YZ209315103P-01" YZ209315103P-01 -9.39,22.225 r90 top (schematic designator TP18)
TP18_3 "YZ209315103P-01" YZ209315103P-01 64.61,22.225 r90 top (schematic designator TP18)
TP18_4 "YZ209315103P-01" YZ209315103P-01 138.61,22.225 r90 top (schematic designator TP18)
TP19_1 "YZ209315103P-01" YZ209315103P-01 -56.5,-3 r90 top (schematic designator TP19)
TP19_2 "YZ209315103P-01" YZ209315103P-01 17.5,-3 r90 top (schematic designator TP19)
TP19_3 "YZ209315103P-01" YZ209315103P-01 91.5,-3 r90 top (schematic designator TP19)
TP19_4 "YZ209315103P-01" YZ209315103P-01 165.5,-3 r90 top (schematic designator TP19)
TP20_1 "YZ209315103P-01" YZ209315103P-01 -54.5,2 r90 top (schematic designator TP20)
TP20_2 "YZ209315103P-01" YZ209315103P-01 19.5,2 r90 top (schematic designator TP20)
TP20_3 "YZ209315103P-01" YZ209315103P-01 93.5,2 r90 top (schematic designator TP20)
TP20_4 "YZ209315103P-01" YZ209315103P-01 167.5,2 r90 top (schematic designator TP20)
TP21_1 "YZ209315103P-01" YZ209315103P-01 -49.437,8.801 r90 top (schematic designator TP21)
TP21_2 "YZ209315103P-01" YZ209315103P-01 24.563,8.801 r90 top (schematic designator TP21)
TP21_3 "YZ209315103P-01" YZ209315103P-01 98.563,8.801 r90 top (schematic designator TP21)
TP21_4 "YZ209315103P-01" YZ209315103P-01 172.563,8.801 r90 top (schematic designator TP21)
TP22_1 "YZ209315103P-01" YZ209315103P-01 -53.5,9 r90 top (schematic designator TP22)
TP22_2 "YZ209315103P-01" YZ209315103P-01 20.5,9 r90 top (schematic designator TP22)
TP22_3 "YZ209315103P-01" YZ209315103P-01 94.5,9 r90 top (schematic designator TP22)
TP22_4 "YZ209315103P-01" YZ209315103P-01 168.5,9 r90 top (schematic designator TP22)
TP23_1 "YZ209315103P-01" YZ209315103P-01 -46.001,8.966 r90 top (schematic designator TP23)
TP23_2 "YZ209315103P-01" YZ209315103P-01 27.999,8.966 r90 top (schematic designator TP23)
TP23_3 "YZ209315103P-01" YZ209315103P-01 101.999,8.966 r90 top (schematic designator TP23)
TP23_4 "YZ209315103P-01" YZ209315103P-01 175.999,8.966 r90 top (schematic designator TP23)
TP24_1 "YZ209315103P-01" YZ209315103P-01 -46.5,-5 r90 top (schematic designator TP24)
TP24_2 "YZ209315103P-01" YZ209315103P-01 27.5,-5 r90 top (schematic designator TP24)
TP24_3 "YZ209315103P-01" YZ209315103P-01 101.5,-5 r90 top (schematic designator TP24)
TP24_4 "YZ209315103P-01" YZ209315103P-01 175.5,-5 r90 top (schematic designator TP24)
TP25_1 "YZ209315103P-01" YZ209315103P-01 -76.5,24 r90 top (schematic designator TP25)
TP25_2 "YZ209315103P-01" YZ209315103P-01 -2.5,24 r90 top (schematic designator TP25)
TP25_3 "YZ209315103P-01" YZ209315103P-01 71.5,24 r90 top (schematic designator TP25)
TP25_4 "YZ209315103P-01" YZ209315103P-01 145.5,24 r90 top (schematic designator TP25)
TP26_1 "YZ209315103P-01" YZ209315103P-01 -64.5,-23 r90 top (schematic designator TP26)
TP26_2 "YZ209315103P-01" YZ209315103P-01 9.5,-23 r90 top (schematic designator TP26)
TP26_3 "YZ209315103P-01" YZ209315103P-01 83.5,-23 r90 top (schematic designator TP26)
TP26_4 "YZ209315103P-01" YZ209315103P-01 157.5,-23 r90 top (schematic designator TP26)
TP27_1 "YZ209315103P-01" YZ209315103P-01 -94.5,8 r0 top (schematic designator TP27)
TP27_2 "YZ209315103P-01" YZ209315103P-01 -20.5,8 r0 top (schematic designator TP27)
TP27_3 "YZ209315103P-01" YZ209315103P-01 53.5,8 r0 top (schematic designator TP27)
TP27_4 "YZ209315103P-01" YZ209315103P-01 127.5,8 r0 top (schematic designator TP27)
U1_1 "cricket-node-testpoint-placement-template" cricket-node-template -74.5,0 r0 top (schematic designator U1)
U1_2 "cricket-node-testpoint-placement-template" cricket-node-template -0.5,0 r0 top (schematic designator U1)
U1_3 "cricket-node-testpoint-placement-template" cricket-node-template 73.5,0 r0 top (schematic designator U1)
U1_4 "cricket-node-testpoint-placement-template" cricket-node-template 147.5,0 r0 top (schematic designator U1)

## Footprints (in the part's own frame and the unit in brackets; to place one, negate y for a bottom-side part, rotate by r counter-clockwise, add the part's x,y. Pads: shape width x height; smd on the part's side, far side on the other; paste and mask are expansions set on the pad)
2601-1103 [mm]
  round 2.4 hole 1.2: 1(-3.5,-2.5) 1(-3.5,2.5) 2(0,-2.5) 2(0,2.5) 3(3.5,-2.5) 3(3.5,2.5)
  silkscreen extent -6,-7.86 6,6.65, body extent -6,-9.93 6,6.65, height 12.75
9774080360R-YIYUAN [mm] "ROUND STANDOFF M3X0.5 STEEL 8MM"
  round 7.4 hole 4.5 paste-2539.97: 1(0,0)
  body extent -3,-3 3,3, height 8.01
B2B-PH-SM4 [mm]
  rect 1x5.5 smd: 1(-1,-2.25) 2(1,-2.25)
  rect 1.6x3 smd: M1(-3.4,0) M2(3.4,0)
  silkscreen extent -3.98,-5.76 3.98,2.5, body extent -3.98,-4.5 3.98,2.5, height 6.75
C0603_0.90MM_MD [mm] "Chip Capacitor, 2-Leads, Body 1.60x0.80mm, IPC Medium Density"
  rect 0.85x0.95 smd: 1(-0.8,0) 2(0.8,0)
  silkscreen extent -0.1,-0.38 0.1,0.38, body extent -0.8,-0.4 0.8,0.4, height 0.9
cricket-node-template [mm]
  silkscreen extent -35.94,-35.94 35.94,35.94
D_SOT-23-3_P [mm] "Diode - SOT-23-3 - Polarized"
  rect 0.9x0.8 smd: 1(-1,0.915) 2(-1,-0.915) 3(1,0)
  silkscreen extent -0.1,-1.5 0.7,1.5, body extent -1.2,-1.45 1.22,1.45, height 0.98
FSM4JSMATR [mil] "SWITCH TACTILE SPST-NO 0.05A 12V"
  rect 55x85 smd: A(-89,170) A(-89,-170) B(89,170) B(89,-170)
  silkscreen extent -119,-120 121,120, body extent -118,-198 118,196, height 200
FTSH-105-05-F-DV [mil]
  rect 29x110 smd: 1(-100,-80) 2(-100,80) 3(-50,-80) 4(-50,80) 5(0,-80) 6(0,80) 7(50,-80) 8(50,80) 9(100,-80) 10(100,80)
  rect 0x0 hole 38 unplated: M(-75,0) M(75,0)
  silkscreen extent -115,-170 -85,-140, body extent -125,-115 125,115, height 285
GT-USB-7082B [mm]
  rect 1.3x0.9 hole 0.6 slot 1.2 at 0 deg paste-2539.97: A1(-4.225,1.43) A12(4.225,1.43) B1(4.225,-1.43) B12(-4.225,-1.43)
  rect 0.65x1.65 smd paste-100: A1(-3.5,1.43) A4(-2.5,1.43) A5(-1.5,1.43) A6(-0.5,1.43) A7(0.5,1.43) A8(1.5,1.43) A9(2.5,1.43) A12(3.5,1.43) B1(3.5,-1.43) B4(2.5,-1.43) B5(1.5,-1.43) B6(0.5,-1.43) B7(-0.5,-1.43) B8(-1.5,-1.43) B9(-2.5,-1.43) B12(-3.5,-1.43)
  rect 0x0 hole 0.7 unplated: M(-5.4,1.5) M(5.4,-1.5)
  silkscreen extent -6,-2.5 6,2.5, body extent -6,-2.51 6,2.49, height 9.4
H2184-05 [mm] "CONN PIN 1.75MM DIA GOLD 15.3MM"
  round 2.5 hole 1.79: 1(0,0)
  body extent -1.12,-1.12 1.12,1.12, height 15.64
M3 [mm]
  round 0 hole 0.6: 1(-2.475,0) 1(-2.287,0.947) 1(-2.287,-0.947) 1(-1.75,-1.75) 1(-1.75,1.75) 1(-0.947,2.287) 1(-0.947,-2.287) 1(0,-2.475) 1(0,2.475) 1(0.947,2.287) 1(0.947,-2.287) 1(1.75,-1.75) 1(1.75,1.75) 1(2.287,0.947) 1(2.287,-0.947) 1(2.475,0)
  round 6.3 hole 3.6: 1(0,0)
PZ254-2-05-S [mm]
  rect 1.02x3.12 smd: 1(-5.08,-2.69) 2(-5.08,2.69) 3(-2.54,-2.69) 4(-2.54,2.69) 5(0,-2.69) 6(0,2.69) 7(2.54,-2.69) 8(2.54,2.69) 9(5.08,-2.69) 10(5.08,2.69)
  round 0 hole 1.8 unplated: M(-3.81,0) M(3.81,0)
  body extent -6.35,-3.75 6.35,3.75, height 9.14
R0603_0.55MM_HD [mm] "Resistor 0603 High Density"
  rect 0.5x0.75 smd: 1(-0.725,0) 2(0.725,0)
  silkscreen extent -0.1,-0.28 0.1,0.28, body extent -0.8,-0.4 0.8,0.4, height 0.55
R0603_0.55MM_MD [mm] "Resistor 0603 Medium Density"
  rect 0.7x0.85 smd: 1(-0.825,0) 2(0.825,0)
  silkscreen extent -0.1,-0.33 0.1,0.33, body extent -0.8,-0.4 0.8,0.4, height 0.55
R0805_0.70MM_MD [mm] "Resistor 0805 Medium Density"
  rect 0.8x1.3 smd: 1(-0.975,0) 2(0.975,0)
  silkscreen extent -0.2,-0.55 0.2,0.55, body extent -1,-0.63 1,0.63, height 0.7
SOT223 [mm] "SOT223, 4-Leads, Body 6.7x7.3mm (max), Pitch 2.30mm, IPC High Density"
  rect 2.1x0.9 smd: 1(-2.85,2.3) 2(-2.85,0) 3(-2.85,-2.3)
  rect 2.1x3.3 smd: 4(2.85,0)
  silkscreen extent -2.98,-3.35 1.4,3.42, body extent -3.54,-3.35 3.76,3.35, height 1.75
WS2813A-V2 [mm]
  rect 1.5x1 smd: 1(2.45,-1.6) 2(2.45,0) 3(2.45,1.6) 4(-2.45,1.6) 5(-2.45,0) 6(-2.45,-1.6)
  silkscreen extent -2.72,-2.51 3.99,2.51, body extent -2.7,-2.5 2.7,2.5, height 1.65
YZ209315103P-01 [mm]
  round 2.5 hole 0.9: 1(0,0)
  body extent -0.99,-1 0.99,1, height 9.5